# Altium PCB Shuttler_AMC.PcbDoc (part 1 of 12) (continued)
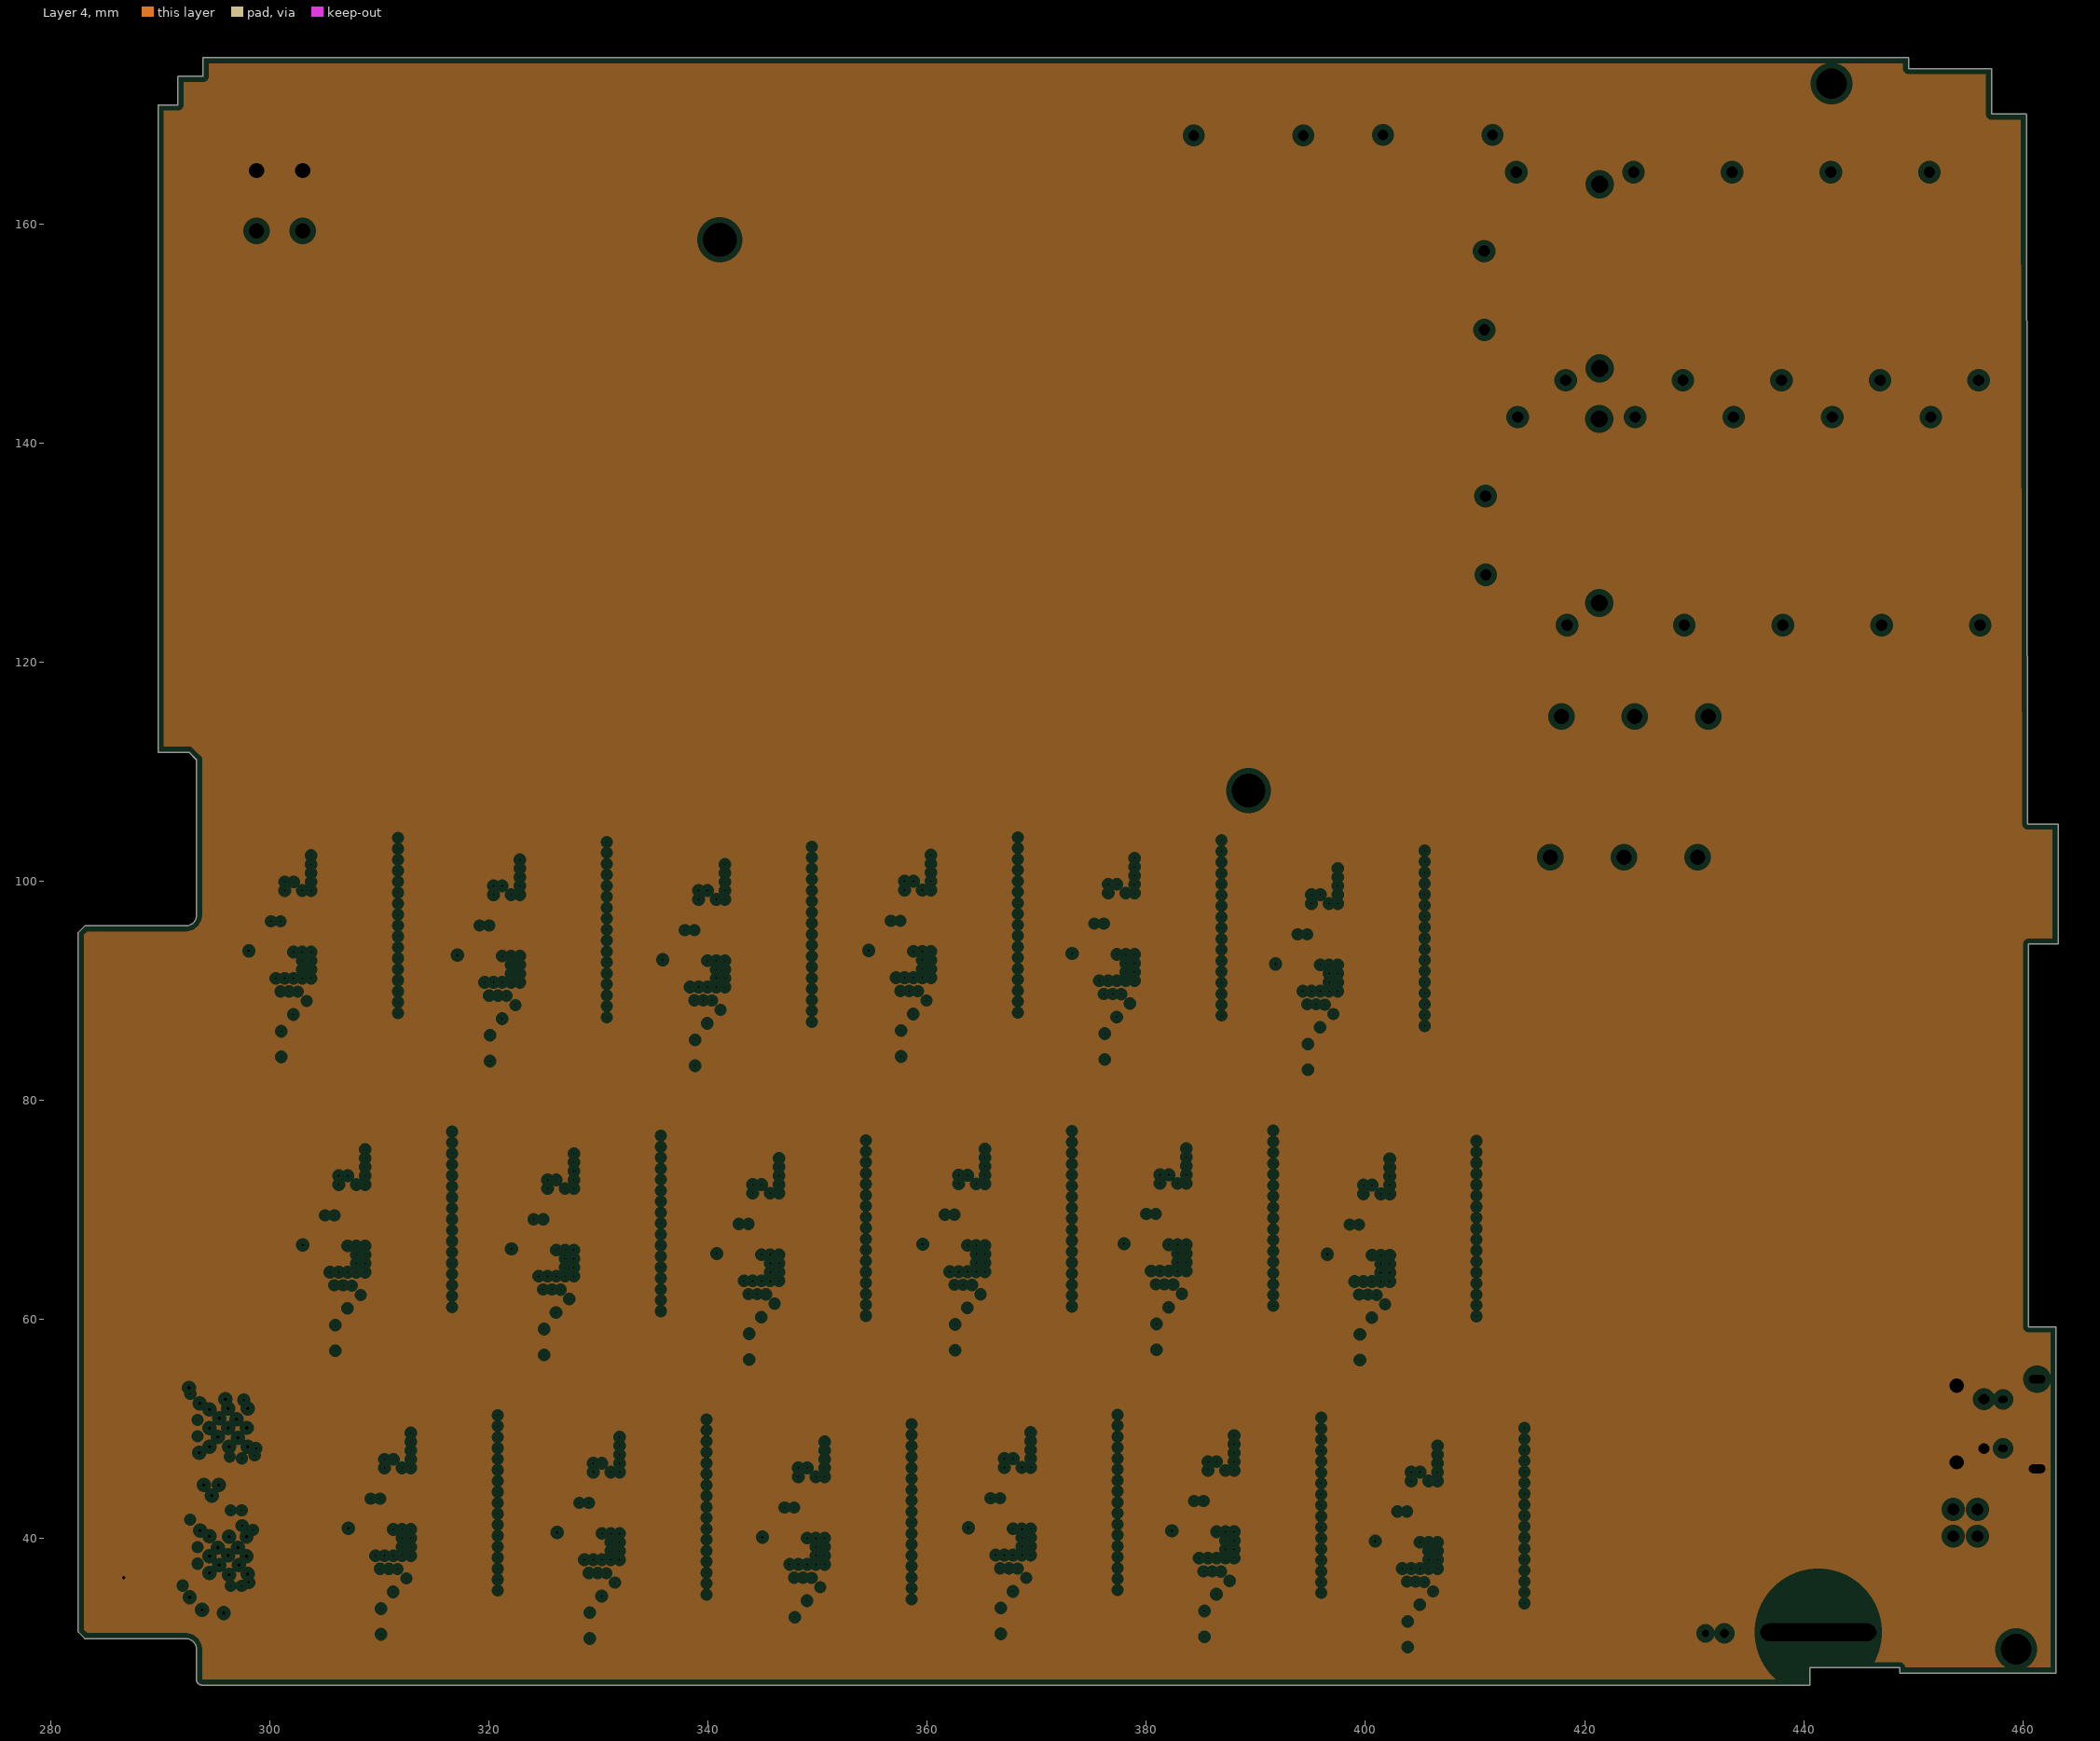
[diagram p3: Layer 4, clearances drawn from the general rule]
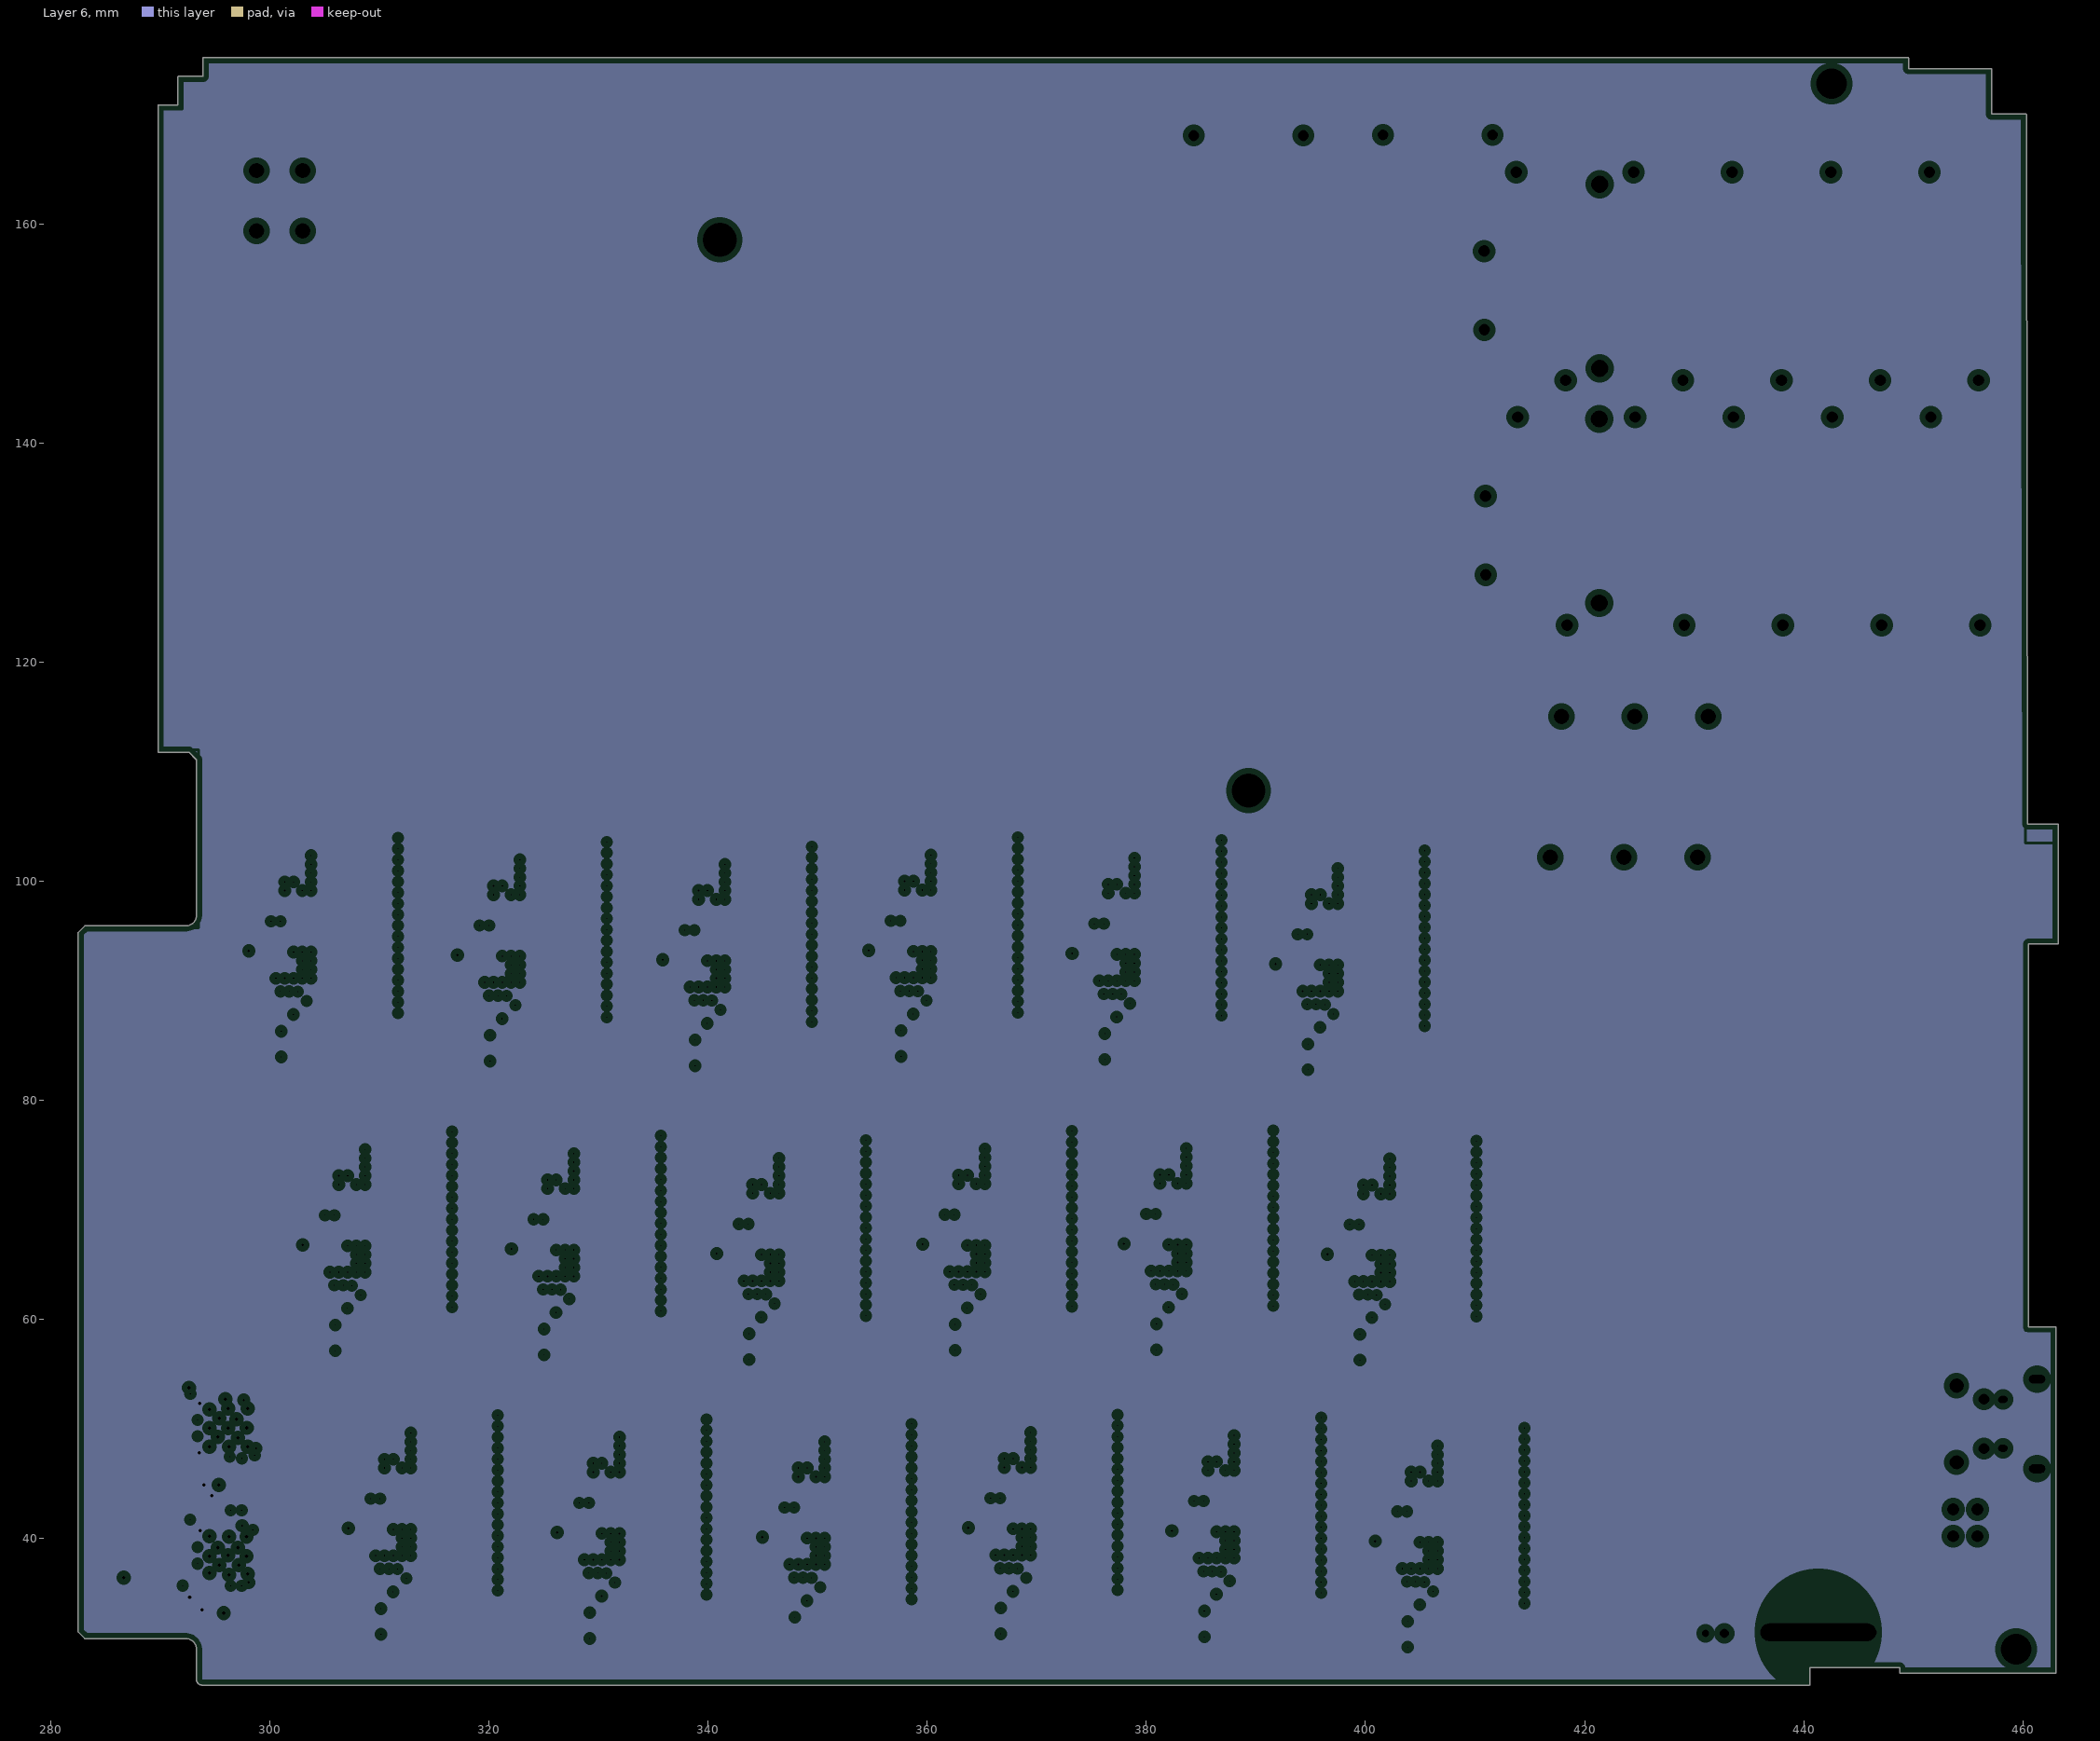
[diagram p4: Layer 6, clearances drawn from the general rule]
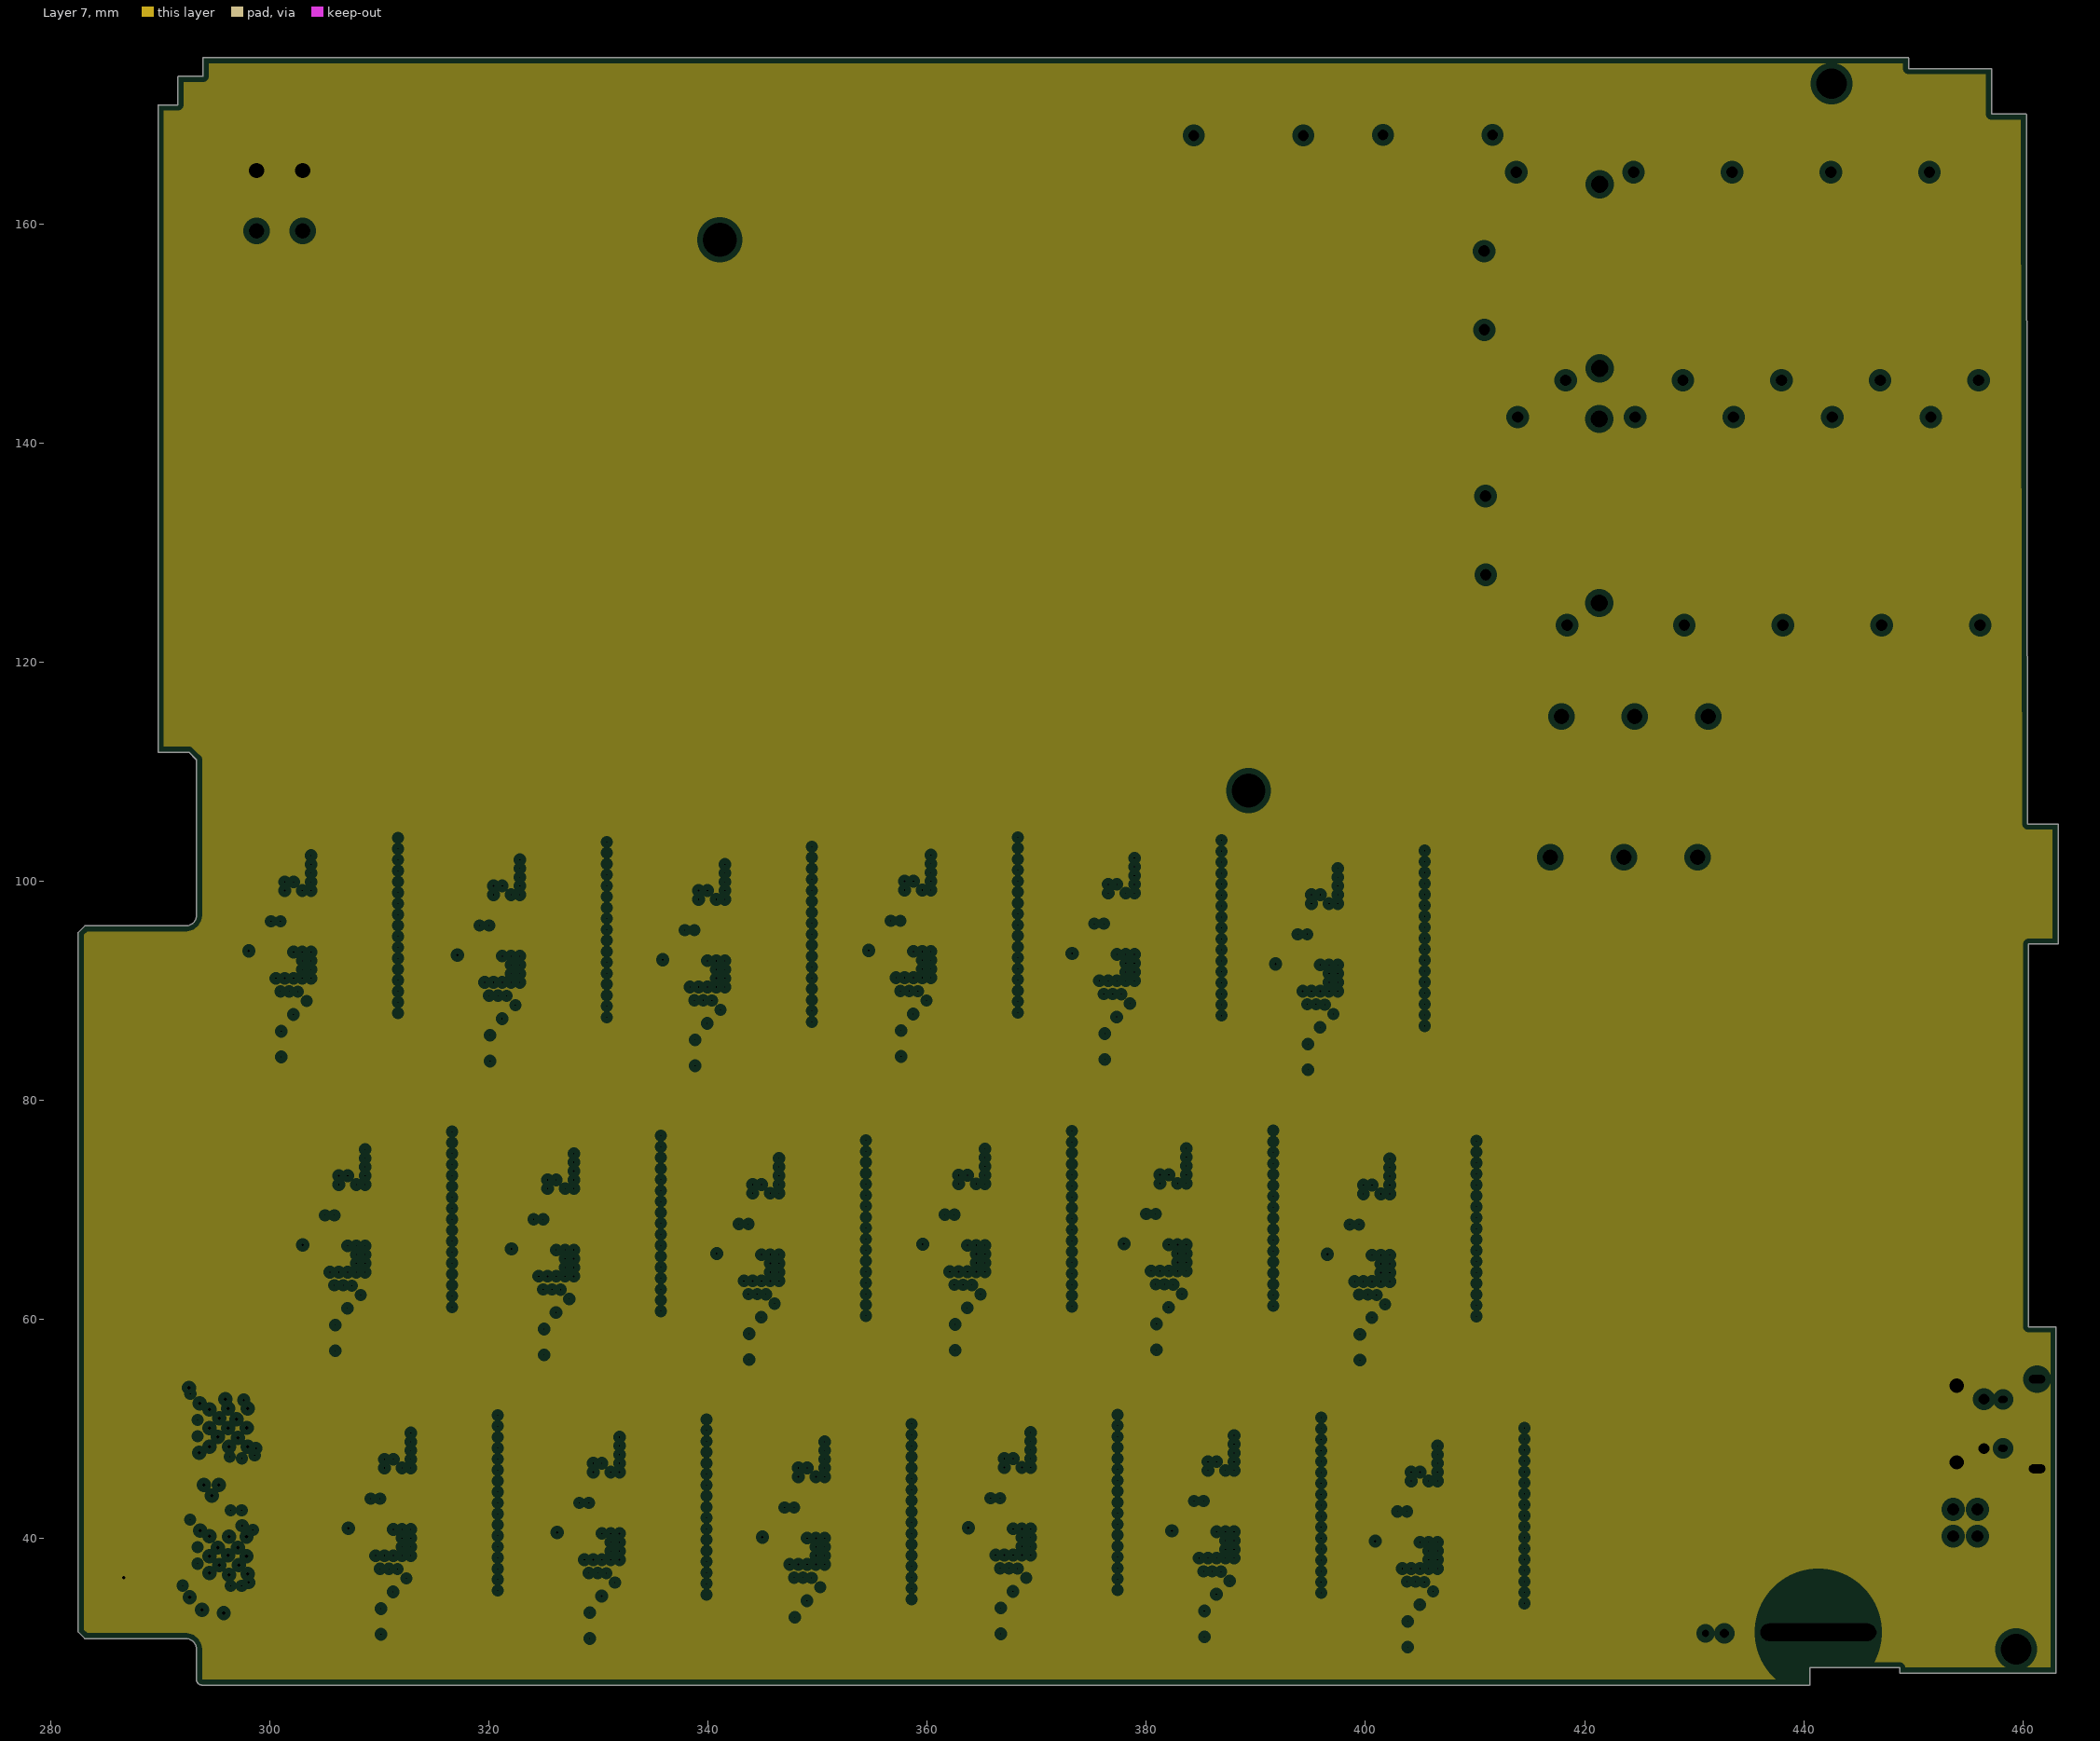
[diagram p5: Layer 7, clearances drawn from the general rule]
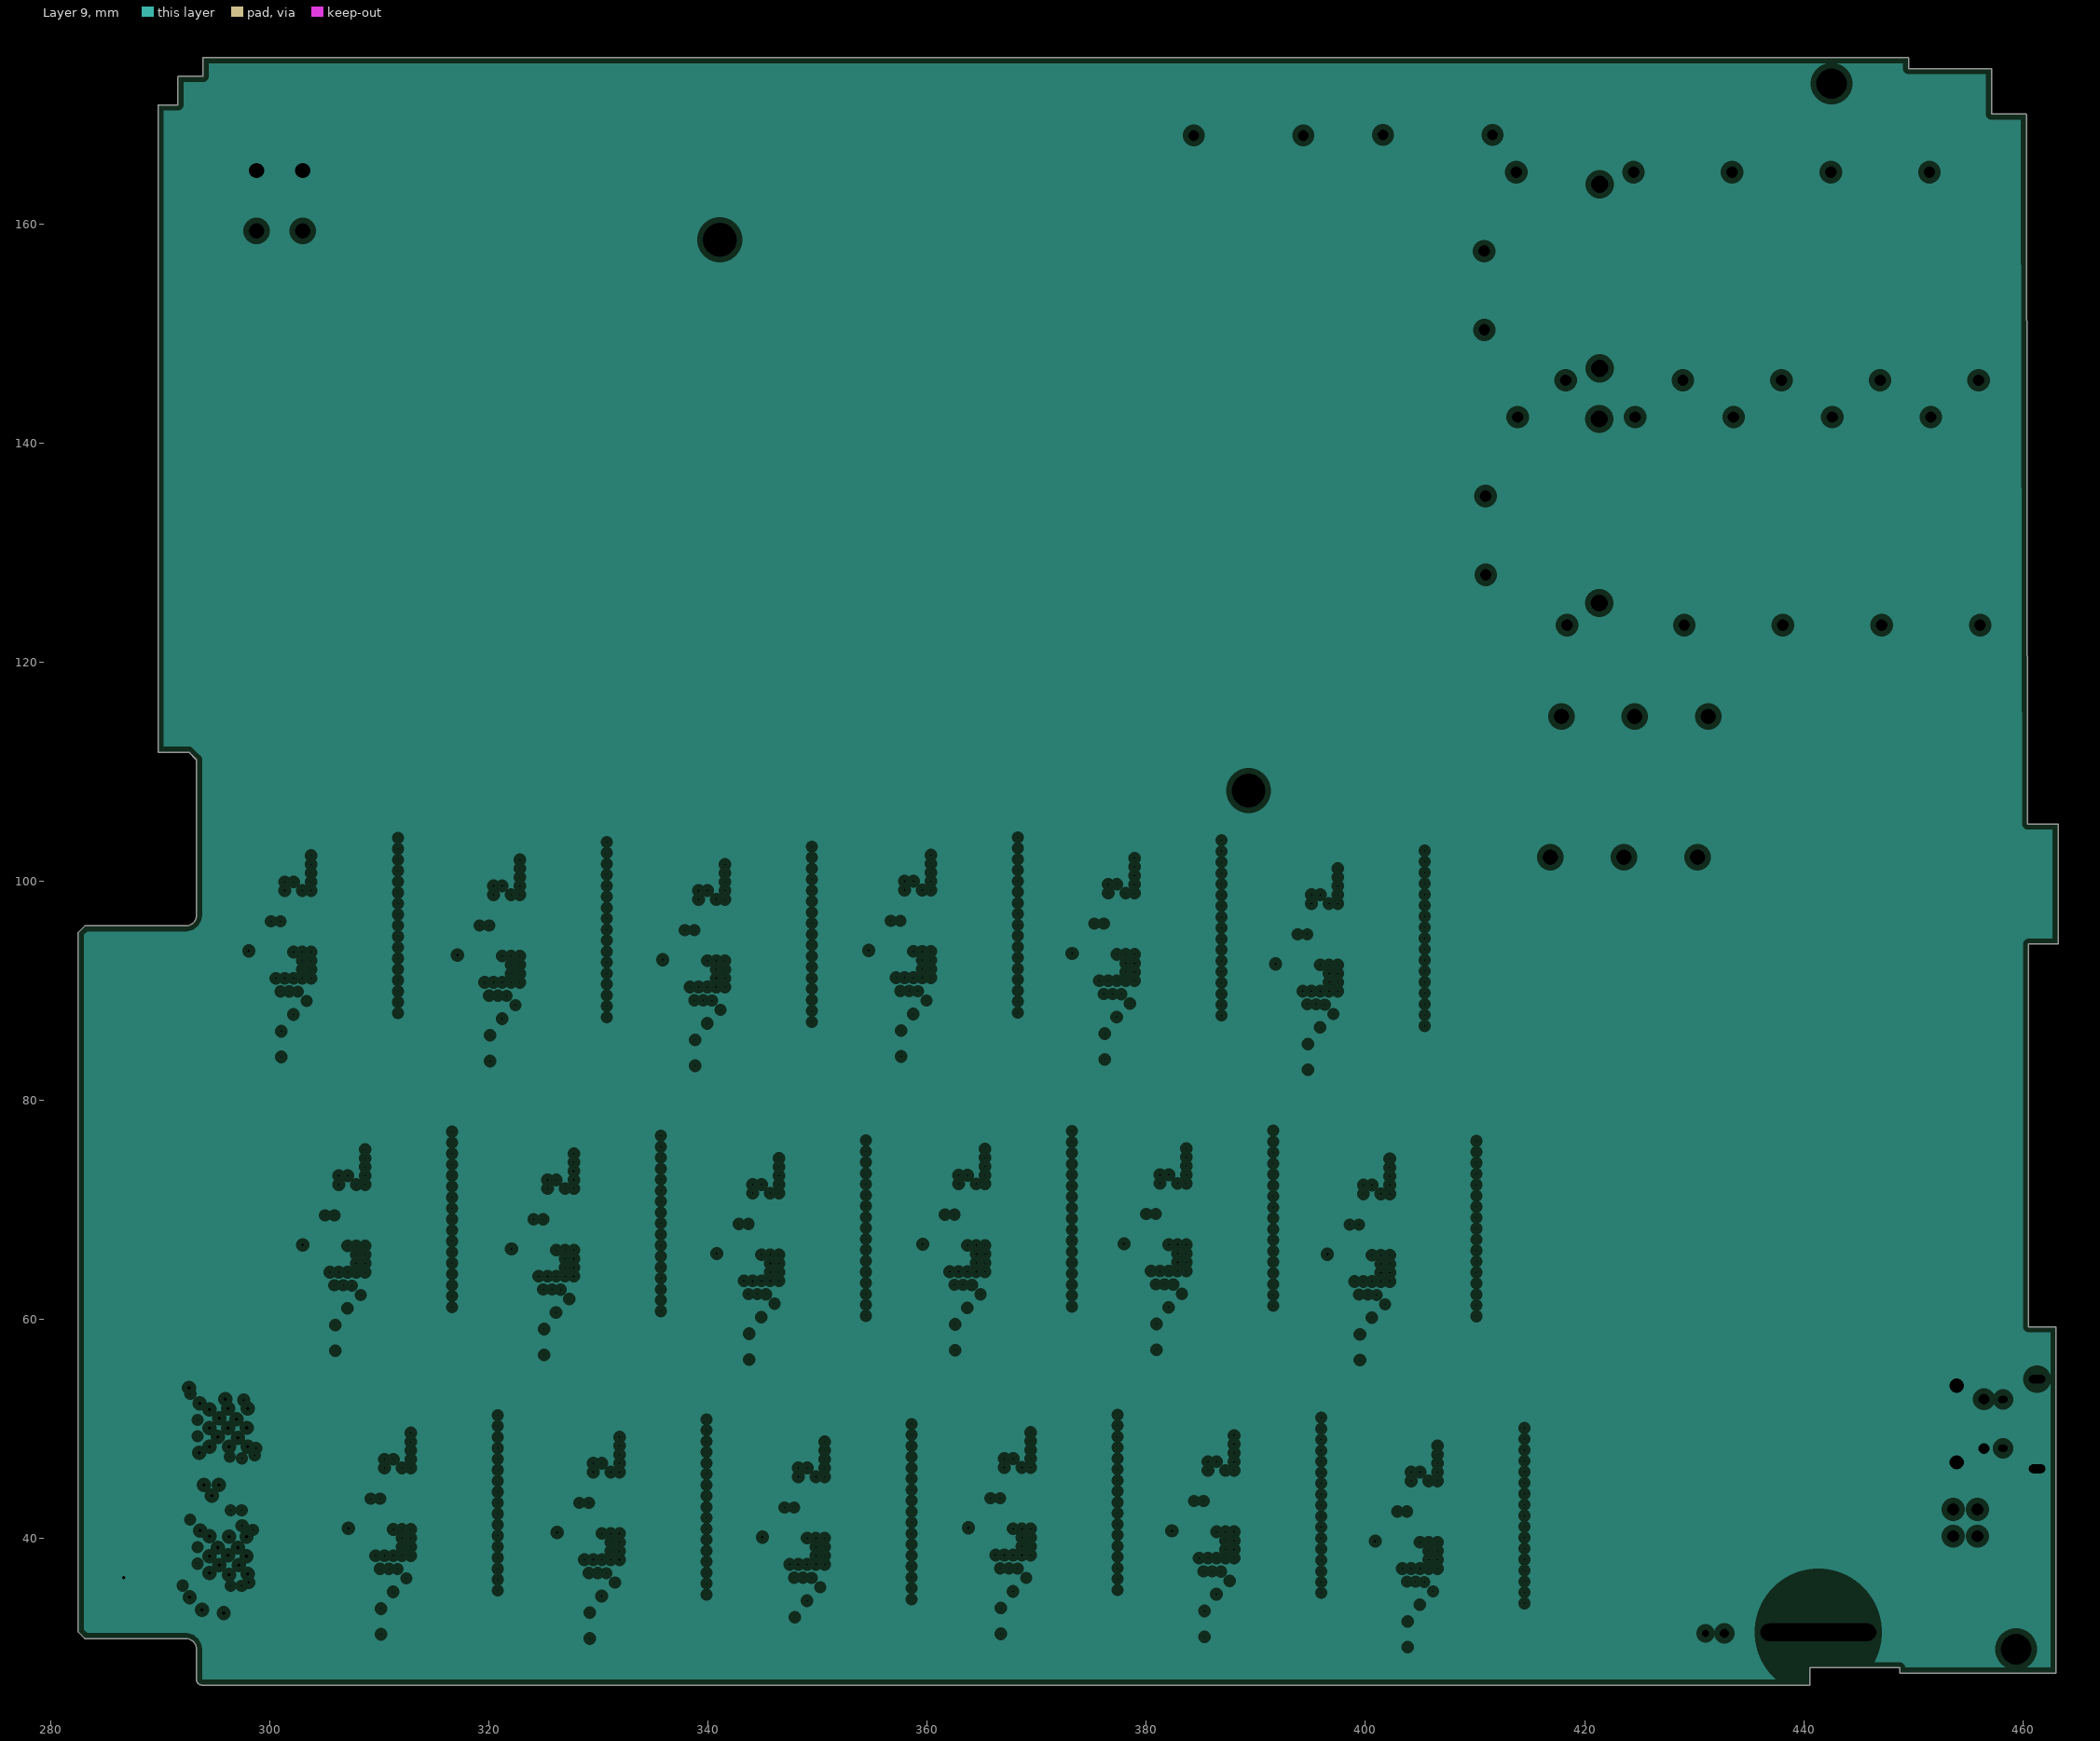
[diagram p6: Layer 9, clearances drawn from the general rule]